# Altium PCB Juglans.PcbDoc
Units mm, origin at the board's own origin, x right, y up, seen from the top; angles counter-clockwise.
Board outline 85 x 74.41 mm, 2 copper layers (Top Layer, Bottom Layer); 26 components, 70 nets, 196 pads, 47 vias.
Unrouted connection lines stored in the file: 11.
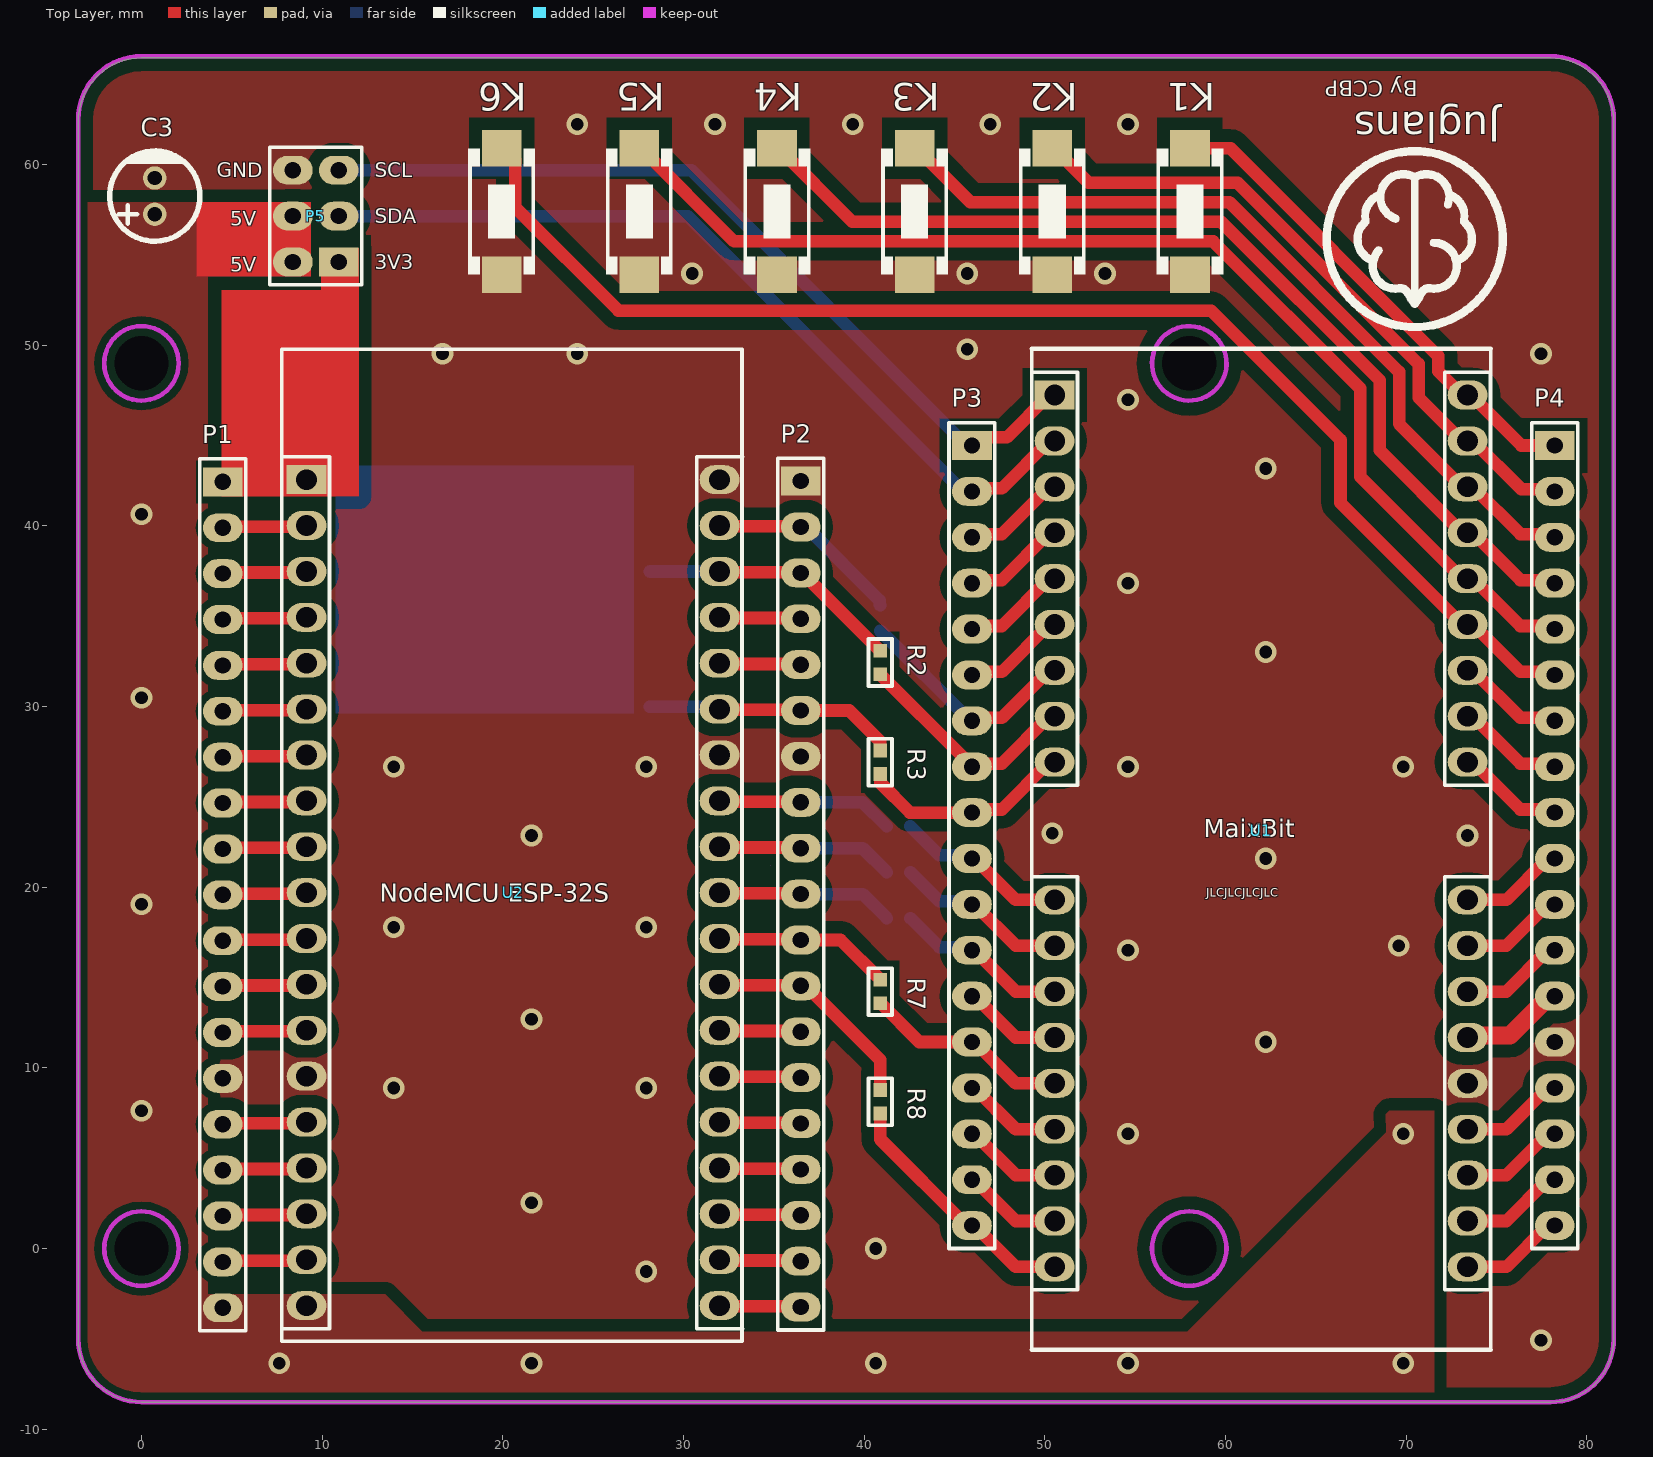
[diagram p0: Top Layer view]
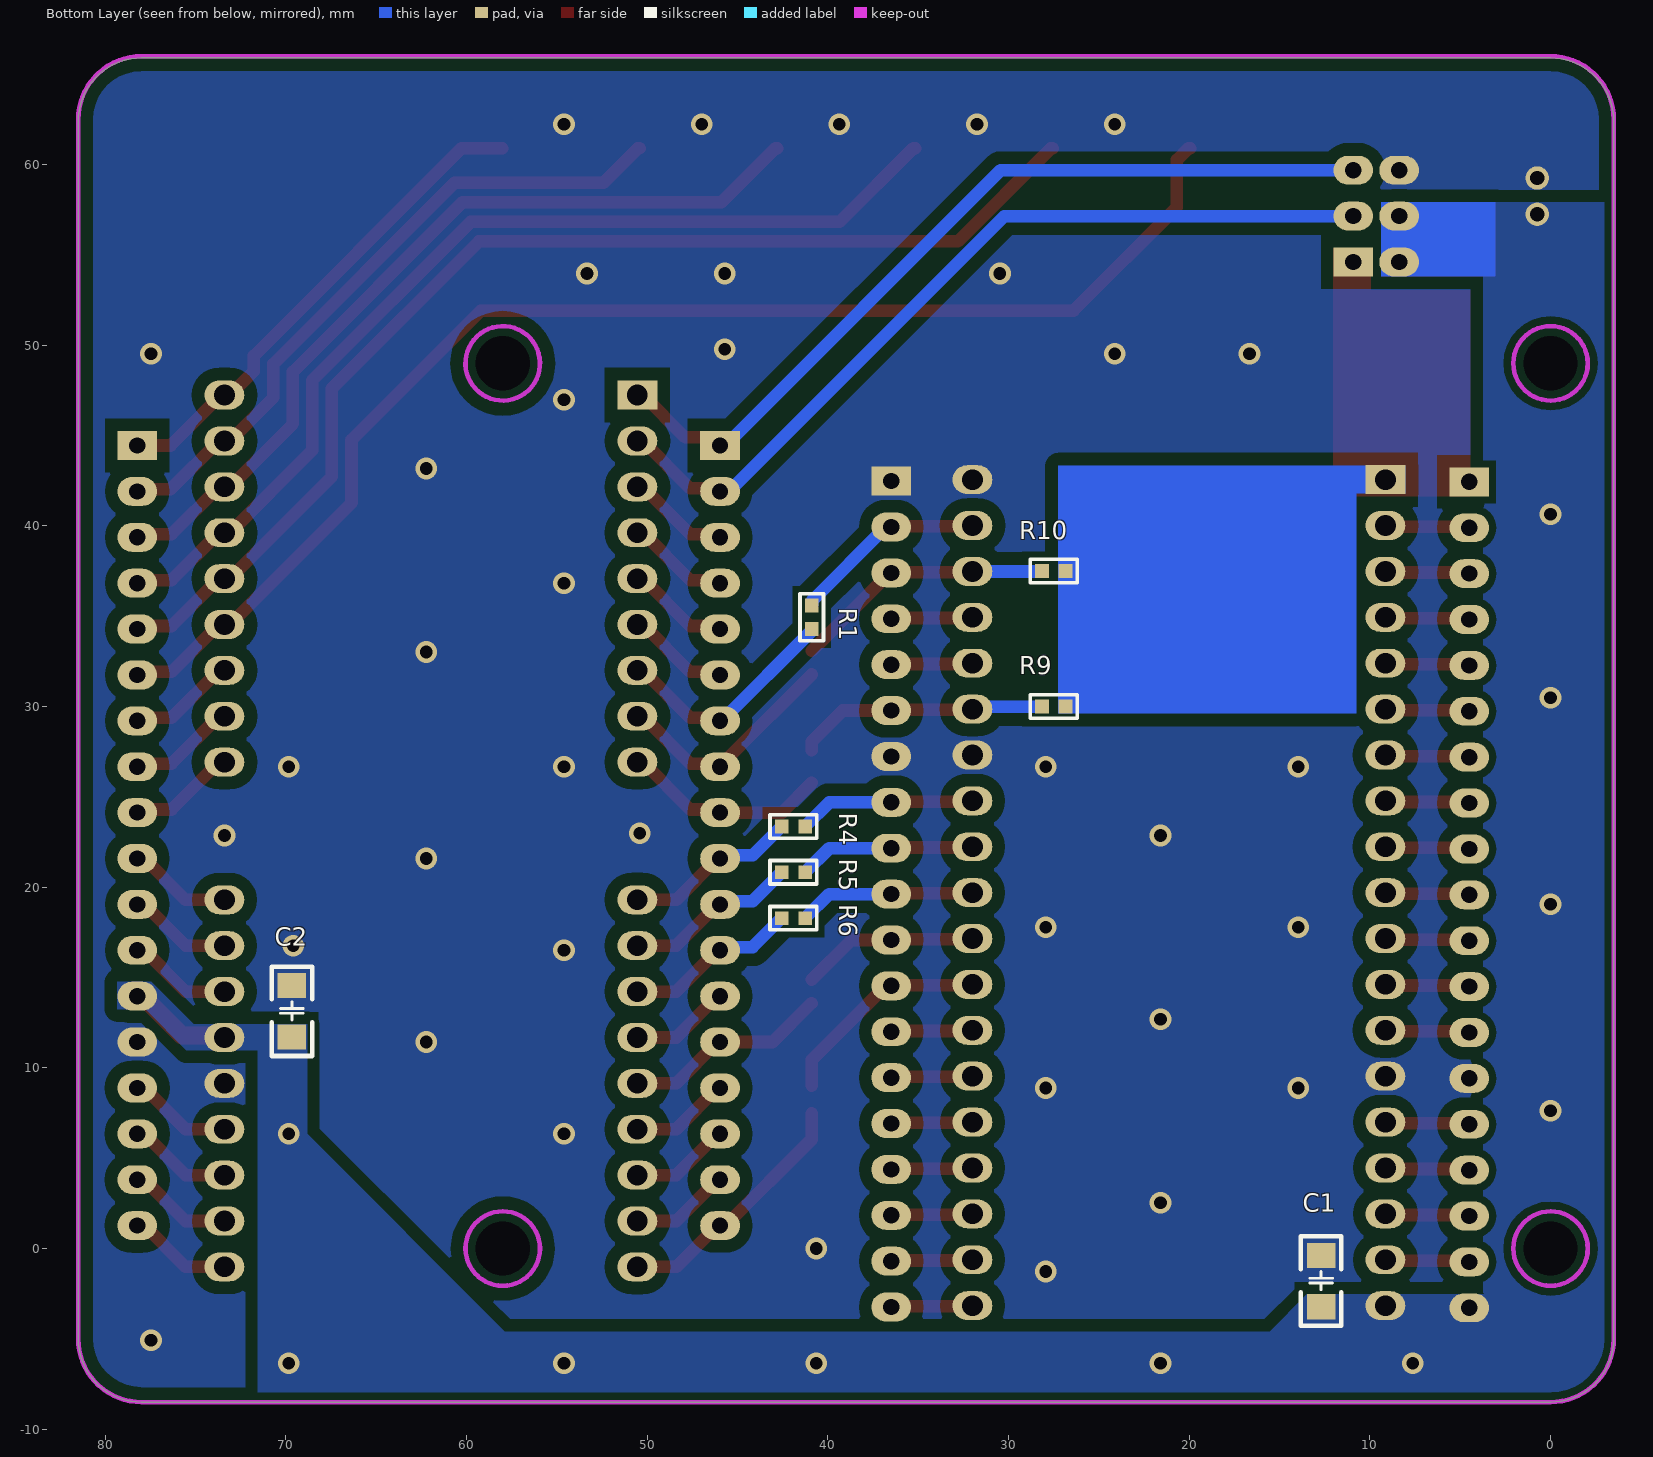
[diagram p1: Bottom Layer view, seen from below]
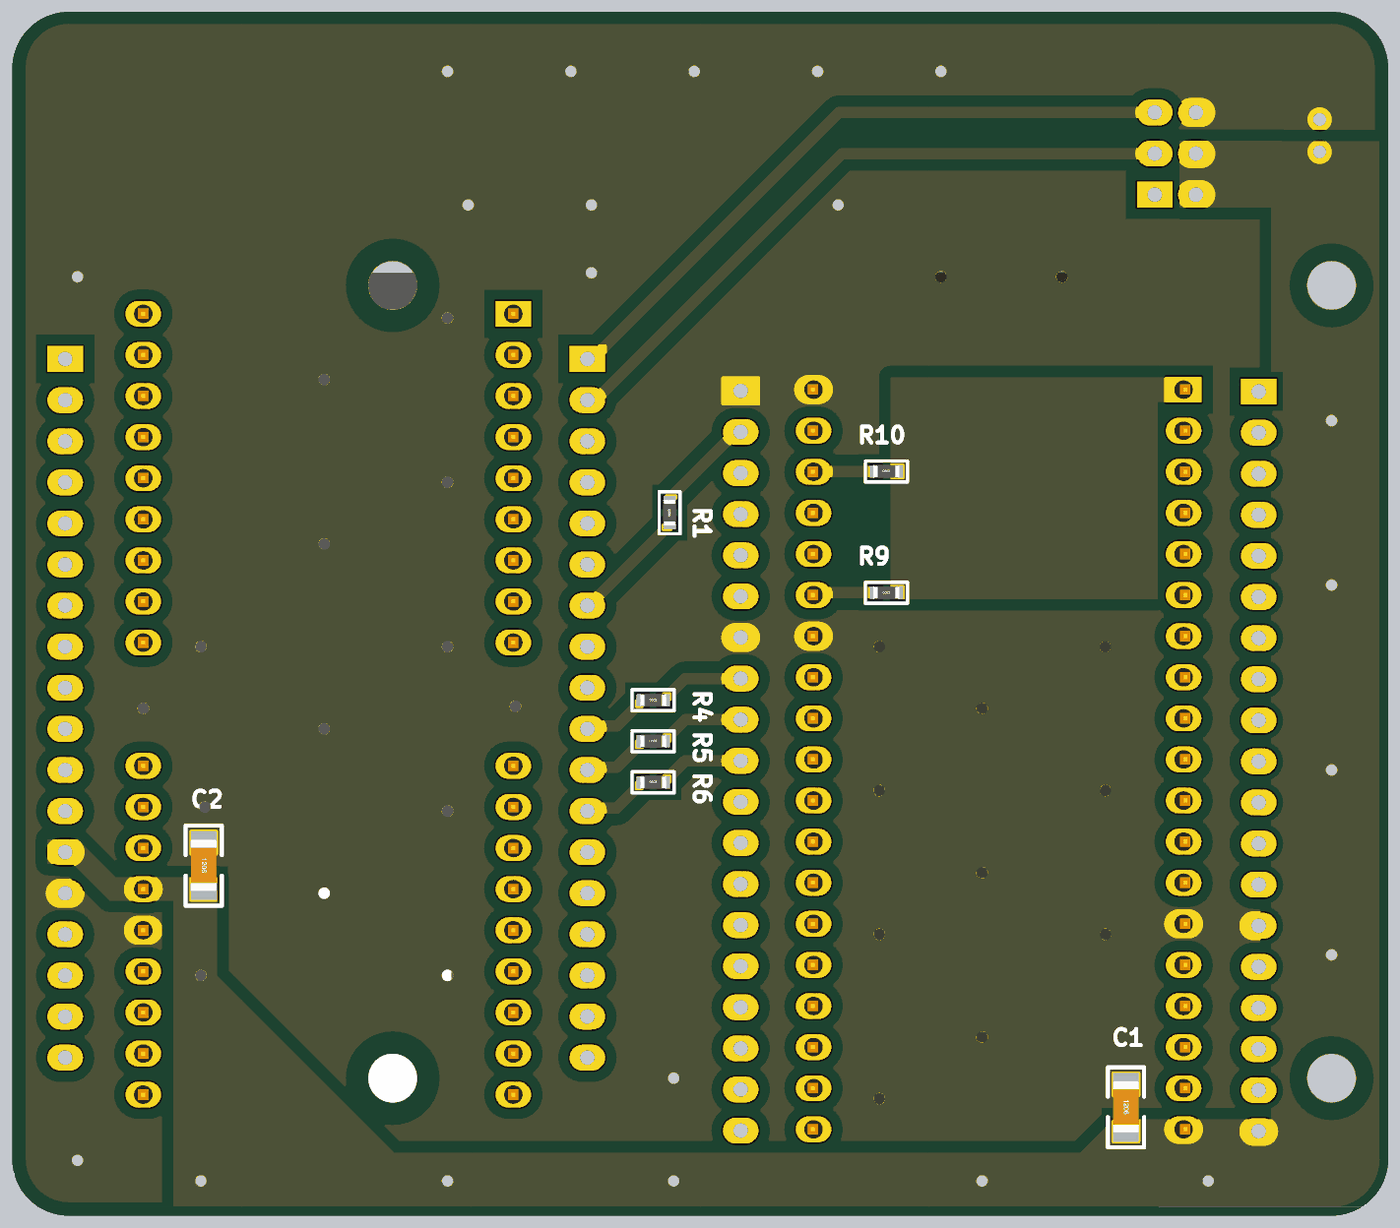
[diagram p2: 3D render of the assembled board from below, using the file's embedded part models]

## Layer stack, top to bottom
Top Solder: solder mask 0.0102, Solder Resist, Dk 3.5
Top Layer: signal copper 0.0356
Dielectric 1: dielectric 0.32, FR-4, Dk 4.8
Bottom Layer: signal copper 0.0356
Bottom Solder: solder mask 0.0102, Solder Resist, Dk 3.5

## Board outline
-3.5,-5 -3.5,62.412 cw(c0,62.412) 0,65.912 78,65.912 cw(c78,62.412) 81.5,62.412 81.5,-5 cw(c78,-5) 78,-8.5 0,-8.5 cw(c0,-5)

## Design rules (kind name [scope] priority, off if disabled: settings)
Clearance [All] p1: gap=0.38 ignorepadtopadclearanceinfootprint=TRUE
HoleSize [All] p1: absolutevalues=TRUE maxlimit=50 minlimit=0.025 maxpercent=80.000 minpercent=20.000
PolygonConnect [All] p1: connectstyle=Direct reliefconductorwidth=0.254 reliefentries=4 polygonreliefangle="90 Angle" airgapwidth=0.254
RoutingVias [All] p1: holewidth=0.711 width=1.27 viastyle="Through Hole" minholewidth=0.711 minwidth=1.27 maxholewidth=0.711 maxwidth=1.27
SilkToSolderMaskClearance [IsPad] p1: minsilkscreentomaskgap=0.152 clearancetoexposedcopper=TRUE
SolderMaskExpansion [All] p1: expansion=0.102
Width [All] p1: maxlimit=20 minlimit=0.254 preferedwidth=0.7
28 further rules are at their usual default settings.

## Components (designator, comment, footprint, x,y, rotation, side; value= is the part's Value field where it differs from the comment)
C1 "Cap" "C 1206_L" 12.7,-1.778 r270 bottom value=100uF
C2 "Cap" "C 1206_L" 69.672,13.157 r270 bottom value=100uF
C3 "Cap2" CAP 0.737,57.258 r90 top value=100uF
K1 "KEY?" SW-PB2-S 58.039,57.404 r270 top
K2 "KEY?" SW-PB2-S 50.419,57.404 r270 top
K3 "KEY?" SW-PB2-S 42.799,57.404 r270 top
K4 "KEY?" SW-PB2-S 35.179,57.404 r270 top
K5 "KEY?" SW-PB2-S 27.559,57.404 r270 top
K6 "KEY?" SW-PB2-S 19.939,57.404 r270 top
P1 "ESP32_L" HDR1X19 4.5,42.44 r270 top
P2 "ESP32_R" HDR1X19 36.5,42.48 r270 top
P3 "K210_L" HDR1X18 45.974,44.45 r270 top
P4 "K210_R" HDR1X18 78.232,44.45 r270 top
P5 "Header3X2" HEADER3X2 10.922,54.61 r0 top
R1 "Res2" "R 0603_L" 40.894,34.95 r90 bottom value=100
R2 "Res2" "R 0603_L" 40.894,32.436 r90 top value=100
R3 "Res2" "R 0603_L" 40.894,26.924 r90 top value=100
R4 "Res2" "R 0603_L" 41.91,23.368 r180 bottom value=100
R5 "Res2" "R 0603_L" 41.91,20.828 r180 bottom value=100
R6 "Res2" "R 0603_L" 41.91,18.288 r180 bottom value=100
R7 "Res2" "R 0603_L" 40.894,14.224 r90 top value=100
R8 "Res2" "R 0603_L" 40.894,8.128 r90 top value=100
R9 "Res2" "R 0603_L" 27.5,30 r180 bottom value=4.7K
R10 "Res2" "R 0603_L" 27.5,37.5 r180 bottom value=4.7K
U1 "MaixBit" MAIXBIT 61.976,23.114 r0 top
U2 "NodeMCU32S" NODEMCU32S 20.57,19.7 r0 top

## Footprints (in the part's own frame and the unit in brackets; to place one, negate y for a bottom-side part, rotate by r counter-clockwise, add the part's x,y. Pads: shape width x height; smd on the part's side, far side on the other; paste and mask are expansions set on the pad)
"C 1206_L" [mil] "无极性贴片电容"
  rect 55x62 smd: 1(-55.12,0) 2(57.09,0)
  silkscreen extent -96,-44 98,44, body extent -63,-32 63,32, height 48
CAP [mm]
  round 1.3 hole 0.8: 1(0,0) 2(2,0)
  silkscreen extent -1.5,-2.5 3.5,2.5
HDR1X18 [mm] "Connector; Header; 18 Position"
  rect 1.6x2.2 hole 0.9: 1(0,0)
  oval 1.6x2.2 hole 0.9: 2(2.54,0) 3(5.08,0) 4(7.62,0) 5(10.16,0) 6(12.7,0) 7(15.24,0) 8(17.78,0) 9(20.32,0) 10(22.86,0) 11(25.4,0) 12(27.94,0) 13(30.48,0) 14(33.02,0) 15(35.56,0) 16(38.1,0) 17(40.64,0) 18(43.18,0)
  silkscreen extent -1.27,-1.27 44.45,1.27
HDR1X19 [mm] "Connector; Header; 19 Position"
  rect 1.6x2.2 hole 0.9: 1(0,0)
  oval 1.6x2.2 hole 0.9: 2(2.54,0) 3(5.08,0) 4(7.62,0) 5(10.16,0) 6(12.7,0) 7(15.24,0) 8(17.78,0) 9(20.32,0) 10(22.86,0) 11(25.4,0) 12(27.94,0) 13(30.48,0) 14(33.02,0) 15(35.56,0) 16(38.1,0) 17(40.64,0) 18(43.18,0) 19(45.72,0)
  silkscreen extent -1.27,-1.27 46.99,1.27
HEADER3X2 [mm]
  rect 2.2x1.6 hole 0.9: 1(0,0)
  oval 2.2x1.6 hole 0.9: 2(-2.54,0) 3(0,2.54) 4(-2.54,2.54) 5(0,5.08) 6(-2.54,5.08)
  silkscreen extent -3.81,-1.27 1.27,6.35, body extent -3.83,-1.21 1.25,6.41, height 8.92
MAIXBIT [mm] "Connector; Header; 9 Position"
  rect 2.2x1.6 hole 1.143: 0(-11.43,24.13)
  oval 2.2x1.6 hole 1.143: 1(-11.43,21.59) 2(-11.43,19.05) 3(-11.43,16.51) 4(-11.43,13.97) 5(-11.43,11.43) 6(-11.43,8.89) 7(-11.43,6.35) 8(-11.43,3.81) 9(-11.43,-3.81) 10(-11.43,-6.35) 11(-11.43,-8.89) 12(-11.43,-11.43) 13(-11.43,-13.97) 14(-11.43,-16.51) 15(-11.43,-19.05) 16(-11.43,-21.59) 17(-11.43,-24.13) 18(11.43,-24.13) 19(11.43,-21.59) 20(11.43,-19.05) 21(11.43,-16.51) 22(11.43,-13.97) 23(11.43,-11.43) 24(11.43,-8.89) 25(11.43,-6.35) 26(11.43,-3.81) 27(11.43,3.81) 28(11.43,6.35) 29(11.43,8.89) 30(11.43,11.43) 31(11.43,13.97) 32(11.43,16.51) 33(11.43,19.05) 34(11.43,21.59) 35(11.43,24.13)
  silkscreen extent -12.7,-28.73 12.71,26.7, body extent -12.7,-28.76 12.7,26.67, height 12.2
NODEMCU32S [mm] "Connector; Header; 19 Position"
  rect 2.2x1.6 hole 1.143: 0(-11.43,22.86)
  oval 2.2x1.6 hole 1.143: 1(-11.43,20.32) 2(-11.43,17.78) 3(-11.43,15.24) 4(-11.43,12.7) 5(-11.43,10.16) 6(-11.43,7.62) 7(-11.43,5.08) 8(-11.43,2.54) 9(-11.43,0) 10(-11.43,-2.54) 11(-11.43,-5.08) 12(-11.43,-7.62) 13(-11.43,-10.16) 14(-11.43,-12.7) 15(-11.43,-15.24) 16(-11.43,-17.78) 17(-11.43,-20.32) 18(-11.43,-22.86) 19(11.43,-22.86) 20(11.43,-20.32) 21(11.43,-17.78) 22(11.43,-15.24) 23(11.43,-12.7) 24(11.43,-10.16) 25(11.43,-7.62) 26(11.43,-5.08) 27(11.43,-2.54) 28(11.43,0) 29(11.43,2.54) 30(11.43,5.08) 31(11.43,7.62) 32(11.43,10.16) 33(11.43,12.7) 34(11.43,15.24) 35(11.43,17.78) 36(11.43,20.32) 37(11.43,22.86)
  silkscreen extent -12.8,-24.82 12.7,30.07, body extent -12.8,-24.77 12.75,30.12, height 10.63
"R 0603_L" [mil] "1/10W贴片电阻"
  rect 30x30 smd: 1(-25.59,0) 2(25.59,0)
  silkscreen extent -51,-26 51,26, body extent -31,-16 31,16, height 16
SW-PB2-S [mm]
  rect 2x2.2 smd: 1(-3.5,0) 2(3.5,0)
  silkscreen extent -3.5,-1.85 3.5,1.85

## Part data
C1 C2 C3: "Capacitor", Publisher="Altium Limited"
  C1 C2: LatestRevisionDate=17-Jul-2002, LatestRevisionNote="Re-released for DXP Platform.", PackageDescription="Radial Cap, Thru-Hole; 2 Leads; 0.3 in Pin Spacing", PackageReference=RAD-0.3, Published=8-Jun-2000
  C3: PackageDescription="Capacitor; 2 Leads", PackageReference=CAPR5-4X5, Published=23-Sep-2002
K1 K2 K3 K4 K5 K6: library part SW-PB2
P1 P2: library part "Header 19", "Header, 19-Pin", LatestRevisionDate=17-Jul-2002, LatestRevisionNote="Re-released for DXP Platform.", Publisher="Altium Limited"
P3 P4: library part "Header 18", "Header, 18-Pin", LatestRevisionDate=17-Jul-2002, LatestRevisionNote="Re-released for DXP Platform.", Publisher="Altium Limited"
P5: library part H3X2
R1 R2 R3 R4 R5 R6 R7 R8 R9 R10: "Resistor", LatestRevisionDate=17-Jul-2002, LatestRevisionNote="Re-released for DXP Platform.", PackageDescription="Axial Device, Thru-Hole; 2 Leads; 0.4 in Pin Spacing", PackageReference=AXIAL-0.4, Published=8-Jun-2000, Publisher="Altium Limited"

## Free pads (board coordinates)
  round 1.8 hole 3: 0(0,0) 0(0,49) 0(58,0) 0(58,49)

## Via types
v1: diameter 1.2, hole 0.7, Top Layer to Bottom Layer, tented both sides, 47 vias

## Nets (pads, with @x,y where several pads share a name; then routed paths per layer and width w, separated by ;. In a path a pad name is that pad's centre, name@x,y a point inside that pad or via, vN(x,y) a via of type N, cw(c..) or ccw(c..) an arc to the next point about the centre after c; other vN are vias at no path point)
5V: C1.2 C2.2 C3.1 P1.19 P4.13 P5.2 P5.4 U1.23 U2.18 | length 5.8
  Top Layer w1: U1.23 73.521,11.799 75.761,11.799 77.932,13.97 P4.13
  other v1: 7.62,-6.35 21.59,-6.35 40.64,-6.35 54.61,-6.35 69.85,-6.35 69.85,6.35 0,7.62 0,19.05 0,30.48 0,40.64
ESP3V3: P1.1 P5.1 R9.2 R10.2 U2.0 | length 4.7
  Top Layer w0.7: P1.1 4.56,42.5 9.08,42.5 U2.0
ESPIO0: P2.14 U2.24 | length 4.5
  Top Layer w0.7: U2.24 32.04,9.5 36.46,9.5 P2.14
ESPIO1: P2.4 U2.34 | length 4.7
  Top Layer w0.7: U2.34 32.04,34.9 36.46,34.9 P2.4
  Bottom Layer w0.7: P2.4 P2.4@36.683,34.86
ESPIO2: P2.15 U2.23 | length 4.5
  Top Layer w0.7: U2.23 32.04,6.96 36.46,6.96 P2.15
ESPIO3: P2.5 U2.33 | length 4.8
  Top Layer w0.7: U2.33 32.04,32.36 36.46,32.36 P2.5
  Bottom Layer w0.7: P2.5 P2.5@36.723,32.32
ESPIO4: P2.13 U2.25 | length 4.5
  Top Layer w0.7: U2.25 32.04,12.04 36.46,12.04 P2.13
ESPIO5: P2.10 R6.2 U2.28 | length 10.1
  Top Layer w0.7: U2.28 32.04,19.66 36.46,19.66 P2.10 P2.10@36.672,19.448
  Bottom Layer w0.7: P2.10 39.928,19.62 R6.2
ESPIO6: P2.19 U2.19 | length 4.5
  Top Layer w0.7: U2.19 32.04,-3.2 36.46,-3.2 P2.19
ESPIO7: P2.18 U2.20 | length 4.5
  Top Layer w0.7: U2.20 32.04,-0.66 36.46,-0.66 P2.18
ESPIO8: P2.17 U2.21 | length 4.5
  Top Layer w0.7: U2.21 32.04,1.88 36.46,1.88 P2.17
ESPIO9: P1.16 U2.15 | length 4.7
  Top Layer w0.7: P1.16 4.56,4.4 9.08,4.4 U2.15
ESPIO10: P1.17 U2.16 | length 4.7
  Top Layer w0.7: P1.17 4.56,1.86 9.08,1.86 U2.16
ESPIO11: P1.18 U2.17 | length 4.7
  Top Layer w0.7: P1.18 4.56,-0.68 9.08,-0.68 U2.17
ESPIO12: P1.13 U2.12 | length 4.7
  Top Layer w0.7: P1.13 4.56,12.02 9.08,12.02 U2.12
ESPIO13: P1.15 U2.14 | length 4.7
  Top Layer w0.7: P1.15 4.56,6.94 9.08,6.94 U2.14
ESPIO14: P1.12 U2.11 | length 4.7
  Top Layer w0.7: P1.12 4.56,14.56 9.08,14.56 U2.11
ESPIO15: P2.16 U2.22 | length 4.5
  Top Layer w0.7: U2.22 32.04,4.42 36.46,4.42 P2.16
ESPIO16: P2.12 R8.2 U2.26 | length 12.1
  Top Layer w0.7: U2.26 32.04,14.58 36.46,14.58 P2.12 36.8,14.54 40.894,10.446 R8.2@40.894,9.017
ESPIO17: P2.11 R7.2 U2.27 | length 9.8
  Top Layer w0.7: U2.27 32.04,17.12 36.46,17.12 P2.11 38.698,17.08 R7.2@40.899,14.879
ESPIO18: P2.9 R5.2 U2.29 | length 9.8
  Top Layer w0.7: U2.29 32.04,22.2 36.46,22.2 P2.9
  Bottom Layer w0.7: P2.9 39.928,22.16 R5.2
ESPIO19: P2.8 R4.2 U2.30 | length 9.8
  Top Layer w0.7: U2.30 32.04,24.74 36.46,24.74 P2.8
  Bottom Layer w0.7: P2.8 39.928,24.7 R4.2
ESPIO21: P2.6 R3.2 R9.1 U2.32 | length 14
  Top Layer w0.7: U2.32 32.04,29.82 36.46,29.82 P2.6 39.181,29.78 40.894,28.067 R3.2
  Bottom Layer w0.7: R9.1 31.86,30 U2.32
ESPIO22: P2.3 R2.2 R10.1 U2.35 | length 14.6
  Top Layer w0.7: U2.35 32.04,37.44 36.46,37.44 P2.3 36.58,37.4 R2.2
  Bottom Layer w0.7: R10.1@28.15,37.48 U2.35
ESPIO23: P2.2 R1.2 U2.36 | length 10.9
  Top Layer w0.7: U2.36 32.04,39.98 36.46,39.98 P2.2
  Bottom Layer w0.7: P2.2 36.8,39.94 40.863,35.877 40.863,35.631 R1.2
ESPIO25: P1.9 U2.8 | length 4.7
  Top Layer w0.7: P1.9 4.56,22.18 9.08,22.18 U2.8
ESPIO26: P1.10 U2.9 | length 4.7
  Top Layer w0.7: P1.10 4.56,19.64 9.08,19.64 U2.9
ESPIO27: P1.11 U2.10 | length 4.7
  Top Layer w0.7: P1.11 4.56,17.1 9.08,17.1 U2.10
ESPIO32: P1.7 U2.6 | length 4.7
  Top Layer w0.7: P1.7 4.56,27.26 9.08,27.26 U2.6
ESPIO33: P1.8 U2.7 | length 4.7
  Top Layer w0.7: P1.8 4.56,24.72 9.08,24.72 U2.7
ESPIO34: P1.5 U2.4 | length 4.7
  Top Layer w0.7: P1.5 4.56,32.34 9.08,32.34 U2.4
ESPIO35: P1.6 U2.5 | length 4.7
  Top Layer w0.7: P1.6 4.56,29.8 9.08,29.8 U2.5
ESPIO36: P1.3 U2.2 | length 4.7
  Top Layer w0.7: P1.3 4.56,37.42 9.08,37.42 U2.2
ESPIO39: P1.4 U2.3 | length 4.7
  Top Layer w0.7: P1.4 4.56,34.88 9.08,34.88 U2.3
ESPRST: P1.2 U2.1 | length 4.7
  Top Layer w0.7: P1.2 4.56,39.96 9.08,39.96 U2.1
GND: C1.1 C2.1 C3.2 K1.2 K2.2 K3.2 K4.2 K5.2 K6.2 P1.14 P2.1 P2.7 P4.14 P5.6 U1.22 U2.13 U2.31 U2.37
  other v1: 77.47,-5.08 27.94,-1.27 40.64,0 21.59,2.54 54.61,6.35 13.97,8.89 27.94,8.89 62.23,11.43 21.59,12.7 54.61,16.51 69.596,16.764 13.97,17.78 27.94,17.78 62.23,21.59 21.59,22.86 73.406,22.86 50.419,22.987 13.97,26.67 27.94,26.67 54.61,26.67 69.85,26.67 62.23,33.02 54.61,36.83 62.23,43.18 54.61,46.99 16.662,49.53 24.13,49.53 77.47,49.53 45.72,49.784 30.48,53.975 45.72,53.975 53.34,53.975 24.13,62.23 31.75,62.23 39.37,62.23 46.99,62.23 54.61,62.23
K210IO0: P3.1 P5.5 U1.0 | length 47.1
  Top Layer w0.7: P3.1 46.424,44.9 47.902,44.9 50.246,47.244 U1.0
  Bottom Layer w0.7: P5.5 30.434,59.69 45.674,44.45 P3.1
K210IO1: P3.2 P5.3 U1.1 | length 47.1
  Top Layer w0.7: P3.2 46.146,42.082 47.624,42.082 50.246,44.704 U1.1
  Bottom Layer w0.7: P5.3 30.226,57.15 45.466,41.91 P3.2
K210IO2: P3.3 U1.2 | length 5.7
  Top Layer w0.7: P3.3 46.146,39.542 47.624,39.542 50.246,42.164 U1.2
K210IO3: P3.4 U1.3 | length 5.7
  Top Layer w0.7: P3.4 46.146,37.002 47.624,37.002 50.246,39.624 U1.3
K210IO4: P3.5 U1.4 | length 5.7
  Top Layer w0.7: P3.5 46.146,34.462 47.624,34.462 50.246,37.084 U1.4
K210IO5: P3.6 U1.5 | length 5.7
  Top Layer w0.7: P3.6 46.146,31.922 47.624,31.922 50.246,34.544 U1.5
K210IO6: P3.7 R1.1 U1.6 | length 12.9
  Top Layer w0.7: P3.7 46.146,29.382 47.624,29.382 50.246,32.004 U1.6
  Bottom Layer w0.7: R1.1@40.894,34.199 45.883,29.21 P3.7
K210IO7: P3.8 R2.1 U1.7 | length 13
  Top Layer w0.7: R2.1 45.502,27.178 45.502,27.086 45.918,26.67 P3.8 46.146,26.842 47.624,26.842 50.246,29.464 U1.7
K210IO8: P3.9 R3.1 U1.8 | length 11.5
  Top Layer w0.7: 40.894,25.781 42.545,24.13 P3.9 46.146,24.302 47.624,24.302 50.246,26.924 U1.8
K210IO9: P3.10 R4.1 U1.9 | length 9.7
  Top Layer w0.7: P3.10 46.11,21.59 48.396,19.304 U1.9
  Bottom Layer w0.7: R4.1 44.166,21.762 45.802,21.762 P3.10
K210IO10: P3.11 R5.1 U1.10 | length 10.2
  Top Layer w0.7: P3.11@45.447,19.05 P3.11 46.11,19.05 48.396,16.764 U1.10
  Bottom Layer w0.7: R5.1 44.166,19.222 45.802,19.222 P3.11
K210IO15: P3.12 R6.1 U1.11 | length 9.9
  Top Layer w0.7: P3.12@45.802,16.682 P3.12 46.11,16.51 48.396,14.224 U1.11
  Bottom Layer w0.7: R6.1 44.166,16.682 45.802,16.682 P3.12
K210IO16: P3.13 U1.12 | length 5.5
  Top Layer w0.7: P3.13 46.11,13.97 48.396,11.684 U1.12
K210IO17: P3.14 R7.1 U1.13 | length 11.5
  Top Layer w0.7: R7.1@40.902,13.581 43.053,11.43 P3.14 46.11,11.43 48.396,9.144 U1.13
K210IO18: P3.15 U1.14 | length 5.5
  Top Layer w0.7: P3.15 46.11,8.89 48.396,6.604 U1.14
K210IO19: P3.16 U1.15 | length 5.5
  Top Layer w0.7: P3.16 46.11,6.35 48.396,4.064 U1.15
K210IO20: P3.17 U1.16 | length 5.5
  Top Layer w0.7: P3.17 46.11,3.81 48.396,1.524 U1.16
K210IO21: P3.18 R8.1 U1.17 | length 14
  Top Layer w0.7: R8.1 40.894,6.05 45.674,1.27 P3.18 46.11,1.27 48.396,-1.016 U1.17
K210IO22: P4.18 U1.18 | length 5.8
  Top Layer w0.7: U1.18 75.556,-1.016 77.842,1.27 P4.18
K210IO23: P4.17 U1.19 | length 5.8
  Top Layer w0.7: U1.19 75.556,1.524 77.842,3.81 P4.17
K210IO24: P4.16 U1.20 | length 5.8
  Top Layer w0.7: U1.20 75.556,4.064 77.842,6.35 P4.16
K210IO25: P4.15 U1.21 | length 5.8
  Top Layer w0.7: U1.21 75.556,6.604 77.842,8.89 P4.15
K210IO26: P4.10 U1.26 | length 5.8
  Top Layer w0.7: U1.26 75.556,19.304 77.842,21.59 P4.10
K210IO27: P4.9 U1.27 | length 6
  Top Layer w0.7: U1.27 73.706,26.924 76.328,24.302 78.06,24.302 P4.9
K210IO28: P4.8 U1.28 | length 6
  Top Layer w0.7: U1.28 73.706,29.464 76.328,26.842 78.06,26.842 P4.8
K210IO29: P4.7 U1.29 | length 6
  Top Layer w0.7: U1.29 73.706,32.004 76.328,29.382 78.06,29.382 P4.7
K210IO30: K6.1 P4.6 U1.30 | length 73.9
  Top Layer w0.7: K6.1 20.039,60.904 20.689,60.254 20.689,57.64 26.41,51.92 59.209,51.92 66.375,44.753 66.375,41.275 73.106,34.544 U1.30 73.706,34.544 76.328,31.922 78.06,31.922 P4.6
K210IO31: K5.1 P4.5 U1.31 | length 64.6
  Top Layer w0.7: K5.1 27.659,60.904 32.81,55.753 59.324,55.753 67.456,47.62 67.456,42.734 73.106,37.084 U1.31 73.706,37.084 76.328,34.462 78.06,34.462 P4.5
K210IO32: K4.1 P4.4 U1.32 | length 55.3
  Top Layer w0.7: K4.1 35.279,60.904 39.349,56.834 59.772,56.834 68.537,48.068 68.537,44.193 73.106,39.624 U1.32 73.706,39.624 76.328,37.002 78.06,37.002 P4.4
K210IO33: K3.1 P4.3 U1.33 | length 46
  Top Layer w0.7: K3.1 42.899,60.904 45.888,57.915 60.219,57.915 69.618,48.516 69.618,45.652 73.106,42.164 U1.33 73.706,42.164 76.328,39.542 78.06,39.542 P4.3
K210IO34: K2.1 P4.2 U1.34 | length 36.8
  Top Layer w0.7: K2.1 50.519,60.904 52.427,58.996 60.667,58.996 70.699,48.964 70.699,47.111 73.106,44.704 U1.34 73.706,44.704 76.382,42.028 78.114,42.028 P4.2
K210IO35: K1.1 P4.1 U1.35 | length 27.5
  Top Layer w0.7: K1.1 60.288,60.904 71.78,49.411 71.78,48.57 73.106,47.244 U1.35 73.588,47.244 76.382,44.45 P4.1
K2103V3: P4.12 U1.24 | length 5.8
  Top Layer w0.7: U1.24 75.556,14.224 77.842,16.51 P4.12
RST: P4.11 U1.25 | length 5.8
  Top Layer w0.7: U1.25 75.556,16.764 77.842,19.05 P4.11

## Polygon pours and split planes (outlines as drawn)
GND on Bottom Layer "GND_L02_P054" (solid, remove dead copper, pour order 54): -3.5,-5 -3.5,62.412 cw(c0,62.412) 0,65.912 78,65.912 cw(c78,62.412) 81.5,62.412 81.5,-5 cw(c78,-5) 78,-8.5 0,-8.5 cw(c0,-5)
5V on Bottom Layer "5V_L02_P046" (solid, remove dead copper, pour order 46): -3.479,57.912 3.734,57.912 3.734,-2.438 3.658,-2.515 3.683,-2.54 13.487,-2.54 15.545,-4.597 57.887,-4.597 68.834,6.35 68.834,12.421 75.108,12.421 77.445,14.757 79.35,14.757 79.35,13.183 79.299,13.233 77.775,13.233 75.514,10.973 71.552,10.973 71.552,-8.509 71.526,-8.484 -3.556,-8.484
GND on Top Layer "GND_L01_P055" (solid, remove dead copper, pour order 55): -3.5,-5 -3.5,62.412 cw(c0,62.412) 0,65.912 78,65.912 cw(c78,62.412) 81.5,62.412 81.5,-5 cw(c78,-5) 78,-8.5 0,-8.5 cw(c0,-5)
5V on Top Layer "5V_L01_P050" (solid, remove dead copper, pour order 50): -3.479,57.912 3.683,57.912 3.683,52.832 3.683,-2.54 13.487,-2.54 15.545,-4.597 57.887,-4.597 68.919,6.435 68.88,7.62 71.552,7.62 71.552,-8.509 71.526,-8.484 -3.556,-8.484

## Keep-outs
Top Layer:
  region: 34.845,21.209
Keep-Out Layer:
  circle w0.254: c0,0 r2.062
  circle w0.254: c0,49 r2.062
  circle w0.254: c58,0 r2.062
  lines w0.254: 56.132,48.128 cw(c58,49) 56.156,48.078 ; -3.5,-5 ccw(c0,-5) 0,-8.5 78,-8.5 ccw(c78,-5) 81.5,-5 81.5,62.5 ccw(c78,62.5) 78,66 0,66 ccw(c0,62.5) -3.5,62.5 -3.5,-5

## Other copper
Top Layer:
  rectangle net ESP3V3: 9.931,52.4 12.04,55.397
  rectangle net ESP3V3: 4.445,41.631 12.04,53.061
  rectangle net 5V: 3.048,53.797 9.398,57.937
Bottom Layer:
  rectangle net 5V: 3.048,53.797 9.398,57.937
  rectangle net ESP3V3: 8.026,41.783 11.354,43.332
  rectangle net ESP3V3: 10.744,29.616 27.254,43.332

## Silkscreen, mask and mechanical layers (free items; w line width, h text height)
Top Overlay:
  drawing of 1684 lines, arcs and shapes, not listed
  text "By CCBP" at 70.637,64.948 h1.5 r180
  text "Juglans" at 75.208,63.449 h2.79 r180
  text "JLCJLCJLCJLC" at 58.928,19.304 h0.8
Mechanical 1:
  the board outline again, w0.254

## Text inside footprints (layer, text, board x,y; h text height)
P5: Top Overlay "SCL" at 12.922,59.289 h0.8; Top Overlay "SDA" at 12.922,56.749 h0.8; Top Overlay "3V3" at 12.922,54.209 h0.8; Top Overlay "5V" at 4.921,54.082 h0.8; Top Overlay "5V" at 4.921,56.622 h0.8; Top Overlay "GND" at 4.159,59.289 h0.8
U2: Top Overlay "NodeMCU ESP-32S" at 13.204,19.192 h1